# Altium PCB Interface_board.PcbDoc (part 1 of 3) (continued)
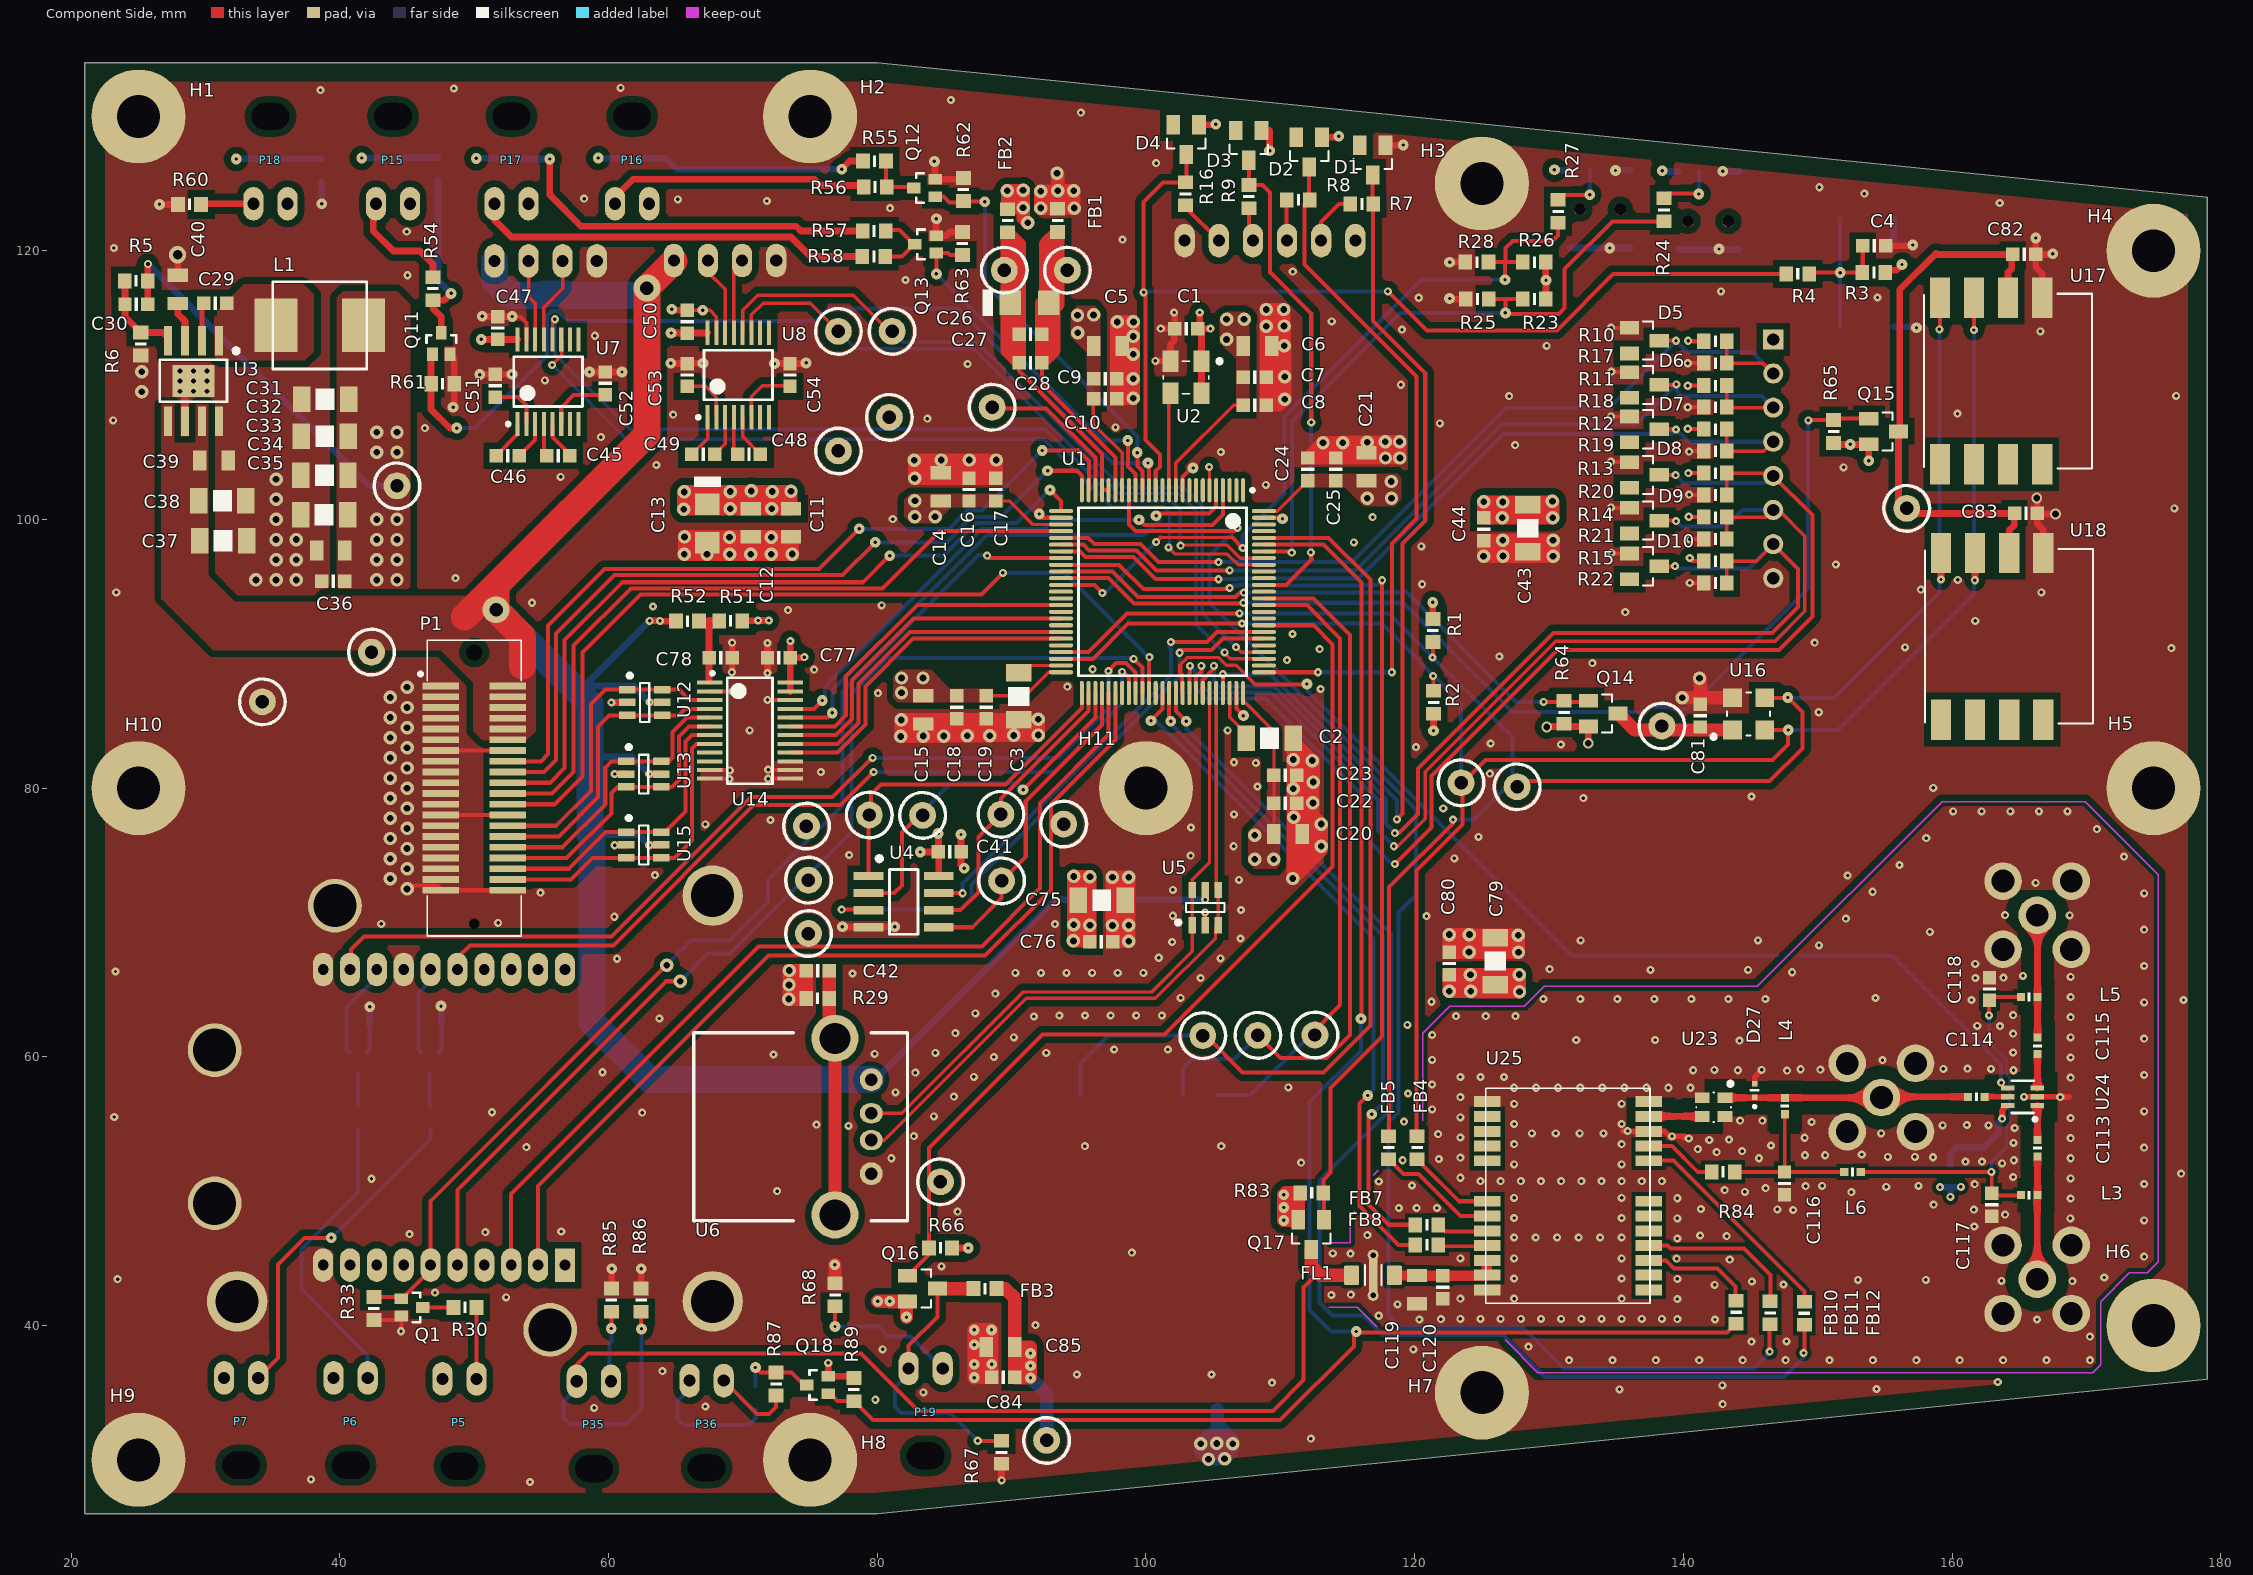
[diagram p0: Component Side view]
## Components (designator, comment, footprint, x,y, rotation, side; value= is the part's Value field where it differs from the comment)
B1 "Switch OFF-(ON)" "SWITCH CK" 153.65,118.35 r0 bottom
C1 "100nF" CAP0603R 103,114.2 r0 top
C2 "2.2uF" CAP1206W 109.2,83.7 r180 top
C3 "2.2uF" CAP1206W 90.525,86.825 r90 top
C4 "100nF" CAP0603R 154.2,120.375 r0 top
C5 "10uF" CAP0805W 97.175,112.9 r180 top
C6 "10uF" CAP0805W 108.3,112.9 r180 top
C7 "100nF" CAP0603R 108.1,110.6 r180 top
C8 "100nF" CAP0603R 108.1,108.5 r180 top
C9 "100nF" CAP0603R 96.975,110.475 r180 top
C10 "100nF" CAP0603R 96.975,108.975 r180 top
C11 "4.7uF" CAP0805W 73.575,99.75 r90 top
C12 "4.7uF" CAP0805W 70.575,99.75 r90 top
C13 "1uF" CAP1206-CASE_A 67.35,99.7 r270 top
C14 "10uF" CAP0805W 84.725,102.425 r270 top
C15 "10uF" CAP0805W 83.425,85.825 r90 top
C16 "100nF" CAP0603R 86.825,102.225 r270 top
C17 "100nF" CAP0603R 88.825,102.225 r270 top
C18 "100nF" CAP0603R 85.925,86.025 r90 top
C19 "100nF" CAP0603R 88.125,86.025 r90 top
C20 "10uF" CAP0805W 110.575,76.575 r180 top
C21 "10uF" CAP0805W 116.425,103.925 r270 top
C22 "100nF" CAP0603R 110.375,78.875 r180 top
C23 "100nF" CAP0603R 110.375,80.975 r180 top
C24 "100nF" CAP0603R 112.025,103.725 r270 top
C25 "100nF" CAP0603R 114.125,103.725 r270 top
C26 "1uF" CAP1206-CASE_A 91.325,116.125 r0 top
C27 "100nF" CAP0603R 91.4,113.8 r180 top
C28 "100nF" CAP0603R 91.4,111.675 r180 top
C29 "470nF" CAP0603R 30.725,116.1 r180 top
C30 "82pF" CAP0603R 24.85,116.025 r0 top
C31 "47uF" CAP1206W 38.9,108.95 r0 top
C32 "47uF" CAP1206W 38.875,106.2 r0 top
C33 "47uF" CAP1206W 38.85,103.275 r0 top
C34 "47uF" CAP1206W 38.825,100.35 r0 top
C35 "10uF" CAP0805W 39.325,97.7 r0 top
C36 "100nF" CAP0603R 39.5,95.4 r0 top
C37 "47uF" CAP1206W 31.3,98.4 r180 top
C38 "47uF" CAP1206W 31.25,101.4 r180 top
C39 "10uF" CAP0805W 30.625,104.375 r180 top
C40 "4.7uF" CAP0805W 27.925,117.125 r270 top
C41 "220nF" CAP0603R 85.4,75.25 r180 top
C42 "4.7nF" CAP0603R 75.575,66.4 r0 top
C43 "47uF" CAP1206W 128.425,99.35 r90 top
C44 "220nF" CAP0603R 125.125,99.275 r90 top
C45 "220nF" CAP0603R 56.25,104.75 r180 top
C46 "220nF" CAP0603R 52.5,104.75 r180 top
C47 "220nF" CAP0603R 51.75,114.25 r270 top
C48 "220nF" CAP0603R 70.45,104.85 r180 top
C49 "220nF" CAP0603R 67.05,104.85 r180 top
C50 "220nF" CAP0603R 65.85,114.725 r270 top
C51 "220nF" CAP0603R 51.55,109.95 r270 top
C52 "220nF" CAP0603R 59.75,110.125 r270 top
C53 "220nF" CAP0603R 65.85,110.75 r270 top
C54 "220nF" CAP0603R 73.5,110.75 r270 top
C75 "47uF" CAP1206W 96.7,71.65 r180 top
C76 "220nF" CAP0603R 96.675,68.55 r180 top
C77 "100nF" CAP0603R 72.675,89.7 r0 top
C78 "100nF" CAP0603R 68.35,89.7 r180 top
C79 "47uF" CAP1206W 126,67.125 r270 top
C80 "220nF" CAP0603R 122.575,66.95 r270 top
C81 "100nF" CAP0603R 141.25,85.4 r270 top
C82 "100nF" CAP0603R 165.375,119.725 r180 top
C83 "100nF" CAP0603R 165.5,100.45 r180 top
C84 "100nF" CAP0603R 89.375,36.15 r0 top
C85 "10uF" CAP0805W 89.175,38.4 r0 top
C112 "100nF" CAP0603R 161.625,52.425 r90 bottom
C113 "47pF" 0402 166.36,53.187 r90 top
C114 "47pF" 0402 161.825,57.025 r180 top
C115 "47pF" 0402 166.361,60.832 r270 top
C116 "100nF" CAP0603R 147.525,50.575 r90 top
C117 "100nF" CAP0603R 162.95,48.988 r90 top
C118 "100nF" CAP0603R 162.787,65.047 r270 top
C119 "10uF" CAP0805W 120.175,42.675 r90 top
C120 "100nF" CAP0603R 122.1,42.85 r90 top
D1 "3V6" SOT23 116.875,126.75 r180 top
D2 "3V6" SOT23 112.15,127.35 r180 top
D3 "3V6" SOT23 107.65,127.85 r180 top
D4 "3V6" SOT23 103,128.275 r180 top
D5 "3V6" SOT23 137.089,113.314 r270 top
D6 "3V6" SOT23 137.089,110.014 r270 top
D7 "3V6" SOT23 137.089,106.714 r270 top
D8 "3V6" SOT23 137.089,103.314 r270 top
D9 "3V6" SOT23 137.089,99.914 r270 top
D10 "3V6" SOT23 137.089,96.514 r270 top
D16 "LED" WL-SMCW 43.9,126.9 r180 bottom
D17 "LED" WL-SMCW 61.55,126.875 r180 bottom
D18 "LED" WL-SMCW 52.575,126.875 r180 bottom
D19 "LED" WL-SMCW 34.7,126.85 r180 bottom
D20 "LED" WL-SMCW 83.55,33.5 r180 bottom
D27 "5V" SOD-923 145.3,57.5 r90 top
D28 "LED" WL-SMCW 58.925,32.65 r180 bottom
D29 "LED" WL-SMCW 67.3,32.6 r180 bottom
FB1 "81-BLM18KG601SZ1D" 0603 93.425,122.25 r90 top
FB2 "81-BLM18KG601SZ1D" 0603 89.7,122.25 r270 top
FB3 "81-BLM18KG601SZ1D" 0603 88.025,42.75 r180 top
FB4 "81-BLM18KG601SZ1D" 0603 120.175,53.25 r270 top
FB5 "81-BLM18KG601SZ1D" 0603 118.05,53.25 r270 top
FB6 "81-BLM18KG601SZ1D" 0603 159.875,51.175 r270 bottom
FB7 "81-BLM18KG601SZ1D" 0603 120.9,47.5 r0 top
FB8 "81-BLM18KG601SZ1D" 0603 120.9,46 r0 top
FB9 "81-BLM18KG601SZ1D" 0603 148.05,67.55 r0 bottom
FB10 "81-BLM18KG601SZ1D" 0603 143.925,41 r270 top
FB11 "81-BLM18KG601SZ1D" 0603 146.45,40.95 r270 top
FB12 "81-BLM18KG601SZ1D" 0603 149,40.925 r270 top
FL1 "NFE31P Series (1206 Size)   Chip EMIFILr LC Combined Type" LCL_NFE31P 116.9,43.742 r0 top
H1 "Hole_3.2mm" HOLE_3.2MM#1 25,130 r0 top
H2 "Hole_3.2mm" HOLE_3.2MM#1 75,130 r0 top
H3 "Hole_3.2mm" HOLE_3.2MM#2 125,130 r0 top
H4 "Hole_3.2mm" HOLE_3.2MM#3 175,130 r0 top
H5 "Hole_3.2mm" HOLE_3.2MM#1 175,80 r0 top
H6 "Hole_3.2mm" HOLE_3.2MM#4 175,30 r0 top
H7 "Hole_3.2mm" HOLE_3.2MM#5 119.75,30.075 r0 top
H8 "Hole_3.2mm" HOLE_3.2MM#1 75,30 r0 top
H9 "Hole_3.2mm" HOLE_3.2MM#1 25,30 r0 top
H10 "Hole_3.2mm" HOLE_3.2MM#1 25,80 r0 top
H11 "Hole_3.2mm" HOLE_3.2MM#6 96.575,92.875 r0 top
L1 "3.3uH" IHLP-2525CZ-01_INDUCTOR 38.5,114.45 r90 top
L3 "27nH" 0402 165.725,49.7 r0 top
L4 "27nH" 0402 147.55,56.325 r90 top
L5 "27nH" 0402 165.725,64.45 r0 top
L6 "27nH" 0402 152.575,51.425 r0 top
P1 "61082-042402LF" 61082-042402LF 50,80 r90 top locked
P2 "Header 6p JST XA 3A" "CON_JST_XA_ B06B-XASK" 109.23,120.75 r180 bottom
P3 "Header 8" HDR1X8 146.689,113.404 r270 bottom
P4 "XBee receptacle" "XBEE RECEPTACLE" 47.75,55.5 r90 bottom locked
P5 "LED connector" "CON_JST_XA_ S02B-XASS-1" 48.9,36.025 r0 top
P6 "LED connector" "CON_JST_XA_ S02B-XASS-1" 40.8,36.1 r0 top
P7 "LED connector" "CON_JST_XA_ S02B-XASS-1" 32.65,36.1 r0 top
P8 "Header 4p JST XA 3A" "CON_JST_XA_ B04B-XASK" 55.31,119.25 r0 bottom
P9 "Header 4p JST XA 3A" "CON_JST_XA_ B04B-XASK" 68.665,119.275 r0 bottom
P15 "LED connector" "CON_JST_XA_ S02B-XASS-1" 43.95,123.5 r180 top locked
P16 "LED connector" "CON_JST_XA_ S02B-XASS-1" 61.75,123.5 r180 top locked
P17 "LED connector" "CON_JST_XA_ S02B-XASS-1" 52.77,123.5 r180 top
P18 "LED connector" "CON_JST_XA_ S02B-XASS-1" 34.83,123.5 r180 top
P19 "LED connector" "CON_JST_XA_ S02B-XASS-1" 83.6,36.8 r0 top
P32 "SMA" SMA_TH_VERTICAL_LONG 154.741,56.974 r180 bottom
P33 "SMA" SMA_TH_VERTICAL_LONG 166.335,43.44 r180 bottom
P34 "SMA" SMA_TH_VERTICAL_LONG 166.335,70.54 r180 bottom
P35 "LED connector" "CON_JST_XA_ S02B-XASS-1" 58.9,35.85 r0 top
P36 "LED connector" "CON_JST_XA_ S02B-XASS-1" 67.3,35.9 r0 top
Q1 "MOSFET_N" SOT-323-3 45.375,41.35 r270 top
Q2 "MOSFET_N" SOT-323-3 41.35,59.475 r0 bottom
Q3 "MOSFET_N" SOT-323-3 46.675,59.525 r0 bottom
Q11 "MOSFET_N" SOT-323-3 47.55,113.1 r0 top
Q12 "MOSFET_N" SOT-323-3 83.5,124.675 r90 top
Q13 "MOSFET_N" SOT-323-3 83.575,120.475 r90 top
Q14 "MOSFET_P" SOT23 134.025,85.55 r270 top
Q15 "MOSFET_P" SOT23 154.9,106.55 r270 top
Q16 "MOSFET_P" SOT23 83.35,42.75 r270 top
Q17 "MOSFET_P" SOT23 112.3,46.775 r180 top
Q18 "MOSFET_N" SOT-323-3 75.55,35.575 r90 top
R1 "2K7" 0603 121.35,91.725 r90 top
R2 "2K7" 0603 121.4,86.4 r270 top
R3 "10K" 0603 154.175,118.375 r0 top
R4 "10" 0603 148.5,118.275 r0 top
R5 "6K19" 0603 24.825,117.75 r0 top
R6 "2K7" 0603 25.175,113.05 r90 top
R7 "22" 0603 116.05,123.475 r0 top
R8 "22" 0603 111.325,123.775 r0 top
R9 "22" 0603 107.65,124.025 r90 top
R10 "10K" 0603 142.389,113.264 r180 top
R11 "10K" 0603 142.389,109.964 r180 top
R12 "10K" 0603 142.389,106.718 r180 top
R13 "10K" 0603 142.389,103.445 r180 top
R14 "10K" 0603 142.389,100.173 r180 top
R15 "10K" 0603 142.389,96.9 r180 top
R16 "22" 0603 102.95,124.225 r90 top
R17 "10K" 0603 142.375,111.627 r0 top
R18 "10K" 0603 142.375,108.355 r0 top
R19 "10K" 0603 142.375,105.082 r0 top
R20 "10K" 0603 142.375,101.809 r0 top
R21 "10K" 0603 142.375,98.536 r0 top
R22 "10K" 0603 142.375,95.264 r0 top
R23 "10K" 0603 128.9,116.4 r0 top
R24 "10K" 0603 138.55,123.05 r270 top
R25 "10K" 0603 124.65,116.4 r0 top
R26 "10K" 0603 128.9,119.15 r0 top
R27 "10K" 0603 130.675,122.95 r270 top
R28 "10K" 0603 124.625,119.15 r0 top
R29 "1M" 0603 75.55,64.35 r0 top
R30 "10" 0603 49.3,41.35 r0 top
R31 "10" 0603 41.35,55.475 r270 bottom
R32 "10" 0603 46.725,55.45 r270 bottom
R33 "18K7" 0603 42.525,41.275 r270 top
R34 "18K7" 0603 41.35,62.375 r180 bottom
R35 "18K7" 0603 46.7,62.55 r180 bottom
R51 "0" 0603 69.075,92.45 r0 top
R52 "0" 0603 65.875,92.425 r180 top
R53 "22" 0603 47.3,126.075 r90 bottom
R54 "22" 0603 46.925,117.175 r90 top
R55 "22" 0603 79.8,126.675 r180 top
R56 "22" 0603 79.85,124.75 r180 top
R57 "22" 0603 79.775,121.475 r180 top
R58 "22" 0603 79.75,119.575 r180 top
R59 "22" 0603 38.65,125.975 r90 bottom
R60 "22" 0603 28.8,123.45 r0 top
R61 "18K7" 0603 47.65,110.1 r180 top
R62 "18K7" 0603 86.4,124.564 r270 top
R63 "18K7" 0603 86.325,120.55 r270 top
R64 "18K7" 0603 131.125,85.65 r270 top
R65 "18K7" 0603 151.175,106.55 r270 top
R66 "18K7" 0603 84.7,45.775 r0 top
R67 "22" 0603 89.25,30.55 r90 top
R68 "22" 0603 76.85,42.3 r270 top
R83 "18K7" 0603 112.35,49.875 r180 top
R84 "10" 0603 142.95,51.425 r0 top
R85 "22" 0603 60.2,41.9 r270 top
R86 "22" 0603 62.425,41.9 r270 top
R87 "22" 0603 72.475,35.65 r270 top
R88 "22" 0603 70.925,34.625 r270 bottom
R89 "18K7" 0603 78.25,35.225 r90 top
S1 "SW DPDT" "SMD SLIDE SWITCHES ON-ON" 141.85,122.2 r180 bottom
S2 "SW DPDT" "SMD SLIDE SWITCHES ON-ON" 133.8,123.1 r180 bottom
TP1 "Test point" TP 88.55,108.35 r180 bottom
TP2 "Test point" TP 127.625,80.1 r180 bottom
TP3 "Test point" TP 123.45,80.4 r180 bottom
TP5 "Test point" TP 94.15,118.55 r180 bottom
TP6 "Test point" TP 34.225,86.425 r180 bottom
TP7 "Test point" TP 89.45,118.55 r180 bottom
TP8 "Test point" TP 42.35,90.125 r180 bottom
TP9 "Test point" TP 44.25,102.5 r180 bottom
TP10 "Test point" TP 79.4,78 r180 bottom
TP11 "Test point" TP 89.2,78.05 r180 bottom
TP12 "Test point" TP 83.375,77.975 r180 bottom
TP13 "Test point" TP 89.25,73.1 r180 bottom
TP14 "Test point" TP 93.875,77.325 r180 bottom
TP15 "Test point" TP 74.875,69.175 r180 bottom
TP16 "Test point" TP 74.875,73.15 r180 bottom
TP17 "Test point" TP 74.725,77.175 r180 bottom
TP20 "Test point" TP 80.9,107.6 r180 bottom
TP21 "Test point" TP 81.1,114 r180 bottom
TP22 "Test point" TP 77.1,105.1 r270 bottom
TP23 "Test point" TP 77.1,114 r180 bottom
TP32 "Test point" TP 138.4,84.625 r180 bottom
TP33 "Test point" TP 156.625,100.825 r180 bottom
TP34 "Test point" TP 92.6,31.45 r180 bottom
TP35 "Test point" TP 104.225,61.575 r180 bottom
TP36 "Test point" TP 108.325,61.6 r180 bottom
TP37 "Test point" TP 112.575,61.625 r180 bottom
TP38 "Test point" TP 84.7,50.7 r180 bottom
U1 "STM32F405VGT6" STM-LQFP100_N 101.225,94.625 r270 top locked
U2 "25MHz" SMD_3.2X2.5MM_4P 102.975,110.575 r180 top
U3 "LMR23630" HSOIC-8 29.1,110.3 r180 top
U4 "Flash 64MB" SOIC-8 81.95,71.55 r270 top
U5 "USBLC6-2SC6Y" SOT23-6L 104.4,71.1 r0 top
U6 "USB_type_A" "USB TYPE A RIGHT ANGLE" 76.85,54.8 r270 top locked
U7 "MAX3232EUE" "TSSOP 16" 55.5,110.25 r90 top
U8 "MAX3232EUE" "TSSOP 16" 69.65,110.75 r90 top
U12 "USBLC6-2SC6Y" SOT23-6L 62.675,86.375 r270 top
U13 "USBLC6-2SC6Y" SOT23-6L 62.6,81.05 r270 top
U14 "SN74LVC4245A" "TSSOP 24" 70.525,84.275 r0 top
U15 "USBLC6-2SC6Y" SOT23-6L 62.6,75.775 r270 top
U16 "Abs. pres. sensor" SMD_3.0X3.0MM_4P 144.85,85.525 r0 top
U17 "Dif. pres. sensor" HSCMRRN060PDSA3 162.9,110.3 r180 top
U18 "Dif. pres. sensor" HSCMRRN060PDSA3 162.98,91.3 r180 top
U19 "IMU" "YOST LABS 3-SPAC EMBEDDED" 98.95,45.45 r270 bottom
U23 "SF1186G" SMD_2.5X2MM_4P 142.25,56.25 r180 top
U24 "PE4259" SC-70 165.25,57.025 r90 top
U25 "NEO_M8" NEO-8 131.4,49.65 r0 top locked

## Footprints (in the part's own frame and the unit in brackets; to place one, negate y for a bottom-side part, rotate by r counter-clockwise, add the part's x,y. Pads: shape width x height; smd on the part's side, far side on the other; paste and mask are expansions set on the pad)
0402 [mm]
  rect 0.6x0.6 smd: 1(-0.6,0) 2(0.625,0)
  silkscreen extent -0.1,-0.33 0.13,0.32, body extent -0.5,-0.3 0.5,0.3, height 0.2
0603 [mil]
  rect 40x44 smd: 1(-33.46,0) 2(34,0)
  silkscreen extent -4,-17 5,17, body extent -33,-16 33,16, height 22
61082-042402LF [mm] "Connecteurs carte à carte et mezzanine 40P RECPT"
  round 0 hole 0.8 unplated: 1(-10.1,0)
  rect 0.5x2.7 smd: 1(7.6,2.5) 2(7.6,-2.5) 3(6.8,2.5) 4(6.8,-2.5) 5(6,2.5) 6(6,-2.5) 7(5.2,2.5) 8(5.2,-2.5) 9(4.4,2.5) 10(4.4,-2.5) 11(3.6,2.5) 12(3.6,-2.5) 13(2.8,2.5) 14(2.8,-2.5) 15(2,2.5) 16(2,-2.5) 17(1.2,2.5) 18(1.2,-2.5) 19(0.4,2.5) 20(0.4,-2.5) 21(-0.4,2.5) 22(-0.4,-2.5) 23(-1.2,2.5) 24(-1.2,-2.5) 25(-2,2.5) 26(-2,-2.5) 27(-2.8,2.5) 28(-2.8,-2.5) 29(-3.6,2.5) 30(-3.6,-2.5) 31(-4.4,2.5) 32(-4.4,-2.5) 33(-5.2,2.5) 34(-5.2,-2.5) 35(-6,2.5) 36(-6,-2.5) 37(-6.8,2.5) 38(-6.8,-2.5) 39(-7.6,2.5) 40(-7.6,-2.5)
  round 0 hole 1.2 unplated: 1(10.1,0)
  silkscreen extent -11,-3.5 11,4.1, body extent -10.9,-3.4 10.9,3.4, height 7.65
CAP0603R [mm] "capacitor 0603 reflow soldering"
  rect 1x1 smd: 1(-0.85,0) 2(0.85,0)
  silkscreen extent -0.13,-0.5 0.13,0.5, body extent -0.8,-0.4 0.8,0.4, height 0.3
CAP0805W [mm] "capacitor 0805 wave soldering"
  rect 1x1.5 smd: 1(-1.05,0) 2(1.05,0)
  body extent -1,-0.63 1,0.63, height 0.78
CAP1206-CASE_A [mil]
  rect 63x71 smd: 1(-55.98,0) 2(56,0)
  silkscreen extent -138,-39 -106,39, body extent -67,-33 67,33, height 67
CAP1206W [mm] "capacitor 1206 wave soldering"
  rect 1.3x1.9 smd: 1(-1.75,0) 2(1.75,0)
  silkscreen extent -0.7,-0.8 0.7,0.8, body extent -1.6,-0.8 1.6,0.8, height 1
"CON_JST_XA_ B04B-XASK" [mm] "Embases Hdr Singl Row 4Ckt 3A"
  oval 1.5x2.5 hole 0.9: 1(-3.81,0) 2(-1.27,0) 3(1.27,0) 4(3.81,0)
  silkscreen extent -6.22,-3.2 6.22,3.91, body extent -6.25,-3.2 6.25,3.2, height 8.8
"CON_JST_XA_ B06B-XASK" [mm] "Embases Hdr Singl Row 6Ckt 3A"
  oval 1.5x2.5 hole 0.9: 1(-6.35,0) 2(-3.81,0) 3(-1.27,0) 4(1.27,0) 5(3.81,0) 6(6.35,0)
  silkscreen extent -8.89,-3.2 8.89,3.91, body extent -8.75,-3.2 8.75,3.2, height 8.8
"CON_JST_XA_ S02B-XASS-1" [mm] "Embases Hdr Singl Row 2Ckt 3A"
  oval 1.5x2.5 hole 0.9: 1(-1.27,0) 2(1.27,0)
  round 0 hole 2 slot 2.8 at 0 deg unplated: ""(0,-6.5)
  body extent -3.75,-9.2 3.75,3.4, height 7.6
HDR1X8 [mm] "Connector; Header; 8 Position"
  rect 1.5x1.5 hole 0.9: 1(0,0)
  round 1.5 hole 0.9: 2(2.54,0) 3(5.08,0) 4(7.62,0) 5(10.16,0) 6(12.7,0) 7(15.24,0) 8(17.78,0)
  silkscreen extent -1.27,-1.27 19.05,1.27
HOLE_3.2MM#1 [mm]
  round 7 hole 3.2: 0(0,0)
HOLE_3.2MM#2 [mm]
  round 7 hole 3.2: 0(0,-5)
HOLE_3.2MM#3 [mm]
  round 7 hole 3.2: 0(0,-10)
HOLE_3.2MM#4 [mm]
  round 7 hole 3.2: 0(0,10)
HOLE_3.2MM#5 [mm]
  round 7 hole 3.2: 0(5.25,4.925)
HOLE_3.2MM#6 [mm]
  round 7 hole 3.2: 0(3.425,-12.875)
HSCMRRN060PDSA3 [mm] "Pressure sensor"
  rect 1.5x3 smd: 1(-3.81,-6.2) 2(-1.27,-6.2) 3(1.27,-6.2) 4(3.81,-6.2) 5(3.81,6.2) 6(1.27,6.2) 7(-1.27,6.2) 8(-3.81,6.2)
  silkscreen extent -7.5,-6.5 5,6.5, body extent -7.75,-6.68 5,6.67, height 6.77
HSOIC-8 [mm]
  rect 0.61x2.21 smd: 1(-1.905,-3) 2(-0.635,-3) 3(0.635,-3) 4(1.905,-3) 5(1.905,3) 6(0.635,3) 7(-0.635,3) 8(-1.905,3)
  round 0.8 hole 0.35: PD(-1,0.75) PD(-1,0) PD(-1,-0.75) PD(0,0.75) PD(0,0) PD(0,-0.75) PD(1,0.75) PD(1,0) PD(1,-0.75)
  rect 3.1x2.4 smd: PD(0,0)
  silkscreen extent -3.33,-2.42 2.5,1.55, body extent -2.5,-3.1 2.5,3.1, height 1.75
IHLP-2525CZ-01_INDUCTOR [mm]
  rect 4x3.2 smd: 1(0,3.25) 2(0,-3.25)
  silkscreen extent -3.25,-3.5 3.25,3.5, body extent -3.23,-3.43 3.24,3.43, height 3
LCL_NFE31P [mil]
  rrect15% 44x56 smd: 1(-62.99,0) 3(63,0)
  round 32.01 hole 16: 2(0,-59.06) 2(0,59.06)
  rect 25x103 smd: 2(0,0)
  silkscreen extent -24,-30 25,30, body extent -63,-31 63,31, height 63
NEO-8 [mm]
  rect 2x0.813 smd: 1(6.02,-7) 2(6.02,-5.9) 3(6.02,-4.8) 4(6.02,-3.7) 5(6.02,-2.6) 6(6.02,-1.5) 7(6.02,-0.4) 8(6.02,2.616) 9(6.02,3.708) 10(6.02,4.801) 11(6.02,5.918) 12(6.02,7.01) 13(-6,7.01) 14(-6,5.918) 15(-6,4.801) 16(-6,3.708) 17(-6,2.616) 18(-6,-0.4) 19(-6,-1.5) 20(-6,-2.6) 21(-6,-3.7) 22(-6,-4.8) 23(-6,-5.9) 24(-6,-7)
  silkscreen extent -6.1,-8 6.12,8, body extent -6.18,-8.3 6.18,8.3, height 2.04
SC-70 [mm]
  rect 0.4x1 smd: 1(-0.65,-1.1) 2(0,-1.1) 3(0.65,-1.1) 4(0.65,1.1) 5(0,1.1) 6(-0.65,1.1)
  silkscreen extent -1.78,-1.03 1.2,0.81, body extent -1,-1.05 1,1.05, height 0.93
SMA_TH_VERTICAL_LONG [mm]
  round 2.8 hole 1.7: 1(0,0) 2(-2.54,-2.54) 3(-2.54,2.54) 4(2.54,-2.54) 5(2.54,2.54)
  silkscreen extent -3.8,-3.83 3.8,3.83, body extent -3.5,-3.5 3.5,3.5, height 17.6
"SMD SLIDE SWITCHES ON-ON" [mm]
  round 0.9 hole 0.9 unplated paste+0 mask+0.102: 0(-1.5,0) 0(1.5,0)
  rect 0.8x2 smd: 1(-2.25,2.9) 2(0.75,2.9) 3(2.25,2.9) 4(2.25,-2.9) 5(0.75,-2.9) 6(-2.25,-2.9)
  body extent -3.35,-2.95 3.35,2.95, height 2.9
SMD_2.5X2MM_4P [mm]
  rect 1.1x0.8 smd: 1(-0.85,-0.7) 2(0.85,-0.7) 3(0.85,0.7) 4(-0.85,0.7)
  silkscreen extent -1.4,-1.9 1.3,1.1, body extent -1.25,-1 1.25,1, height 0.8
SMD_3.0X3.0MM_4P [mm]
  rect 1.4x1.4 smd: 1(-1.2,-1.2) 2(1.2,-1.2) 3(1.2,1.2) 4(-1.2,1.2)
  silkscreen extent -2.75,-1.85 1.6,1.6, body extent -1.5,-1.51 1.5,1.5, height 0.9
SMD_3.2X2.5MM_4P [mm]
  rect 1.2x1.6 smd: 1(-1.15,-1.2) 2(1.15,-1.2) 3(1.15,1.2) 4(-1.15,1.2)
  silkscreen extent -2.65,-1.35 1.7,1.22, body extent -1.7,-1.2 1.7,1.22, height 0.9
SOD-923 [mm]
  rect 0.4x0.406 smd: 1(-0.5,0) 2(0.5,0)
  silkscreen extent -1.3,-0.3 0.03,0.3, body extent -0.52,-0.32 0.53,0.32, height 0.43
SOIC-8 [mil]
  rect 24x87 smd: 1(-75,-102.36) 2(-25,-102.36) 3(25,-102.36) 4(75,-102.36) 5(75,103) 6(25,103) 7(-25,103) 8(-75,103)
  silkscreen extent -133,-77 95,42, body extent -97,-122 99,122, height 69
SOT23 [mil]
  rect 40x56 smd: 1(-37.4,-43.31) 2(38,-43.31) 3(0,44)
  silkscreen extent -56,-3 56,26, body extent -59,-59 59,59, height 51
SOT23-6L [mil]
  rect 22x48 smd: 1(-37.4,-51.18) 2(0,-51.18) 3(38,-51.18) 4(38,52) 5(0,52) 6(-37.4,52)
  silkscreen extent -83,-47 57,14, body extent -59,-59 59,59, height 51
SOT-323-3 [mm]
  rect 0.8x1 smd: 1(-0.65,-0.8) 2(0.65,-0.8) 3(0,0.8)
  silkscreen extent -1.1,0.05 1.1,0.6, body extent -1.1,-1.12 1.1,1.12, height 1.1
STM-LQFP100_N [mm] "Thin QFP, 100-Leads, Body 14x14mm, Pitch 0.5mm, IPC Medium Density"
  oval 1.8x0.3 smd: 1(-7.55,6) 2(-7.55,5.5) 3(-7.55,5) 4(-7.55,4.5) 5(-7.55,4) 6(-7.55,3.5) 7(-7.55,3) 8(-7.55,2.5) 9(-7.55,2) 10(-7.55,1.5) 11(-7.55,1) 12(-7.55,0.5) 13(-7.55,0) 14(-7.55,-0.5) 15(-7.55,-1) 16(-7.55,-1.5) 17(-7.55,-2) 18(-7.55,-2.5) 19(-7.55,-3) 20(-7.55,-3.5) 21(-7.55,-4) 22(-7.55,-4.5) 23(-7.55,-5) 24(-7.55,-5.5) 25(-7.55,-6) 51(7.55,-6) 52(7.55,-5.5) 53(7.55,-5) 54(7.55,-4.5) 55(7.55,-4) 56(7.55,-3.5) 57(7.55,-3) 58(7.55,-2.5) 59(7.55,-2) 60(7.55,-1.5) 61(7.55,-1) 62(7.55,-0.5) 63(7.55,0) 64(7.55,0.5) 65(7.55,1) 66(7.55,1.5) 67(7.55,2) 68(7.55,2.5) 69(7.55,3) 70(7.55,3.5) 71(7.55,4) 72(7.55,4.5) 73(7.55,5) 74(7.55,5.5) 75(7.55,6)
  oval 0.3x1.8 smd: 26(-6,-7.55) 27(-5.5,-7.55) 28(-5,-7.55) 29(-4.5,-7.55) 30(-4,-7.55) 31(-3.5,-7.55) 32(-3,-7.55) 33(-2.5,-7.55) 34(-2,-7.55) 35(-1.5,-7.55) 36(-1,-7.55) 37(-0.5,-7.55) 38(0,-7.55) 39(0.5,-7.55) 40(1,-7.55) 41(1.5,-7.55) 42(2,-7.55) 43(2.5,-7.55) 44(3,-7.55) 45(3.5,-7.55) 46(4,-7.55) 47(4.5,-7.55) 48(5,-7.55) 49(5.5,-7.55) 50(6,-7.55) 76(6,7.55) 77(5.5,7.55) 78(5,7.55) 79(4.5,7.55) 80(4,7.55) 81(3.5,7.55) 82(3,7.55) 83(2.5,7.55) 84(2,7.55) 85(1.5,7.55) 86(1,7.55) 87(0.5,7.55) 88(0,7.55) 89(-0.5,7.55) 90(-1,7.55) 91(-1.5,7.55) 92(-2,7.55) 93(-2.5,7.55) 94(-3,7.55) 95(-3.5,7.55) 96(-4,7.55) 97(-4.5,7.55) 98(-5,7.55) 99(-5.5,7.55) 100(-6,7.55)
  silkscreen extent -7.67,-6.25 6.25,6.83, body extent -7,-7 7,7, height 1.6
"SWITCH CK" [mm]
  rect 1x5 smd: 1(-2,-4) 2(2,-4) 3(2,4) 4(-2,4)
  silkscreen extent -2.95,-2.58 2.98,2.6, body extent -3,-4.5 3,4.5, height 5
TP [mm]
  round 2 hole 1: 1(0,0)
  silkscreen extent -1.7,-1.7 1.7,1.7
"TSSOP 16" [mm]
  rect 1.8x0.3 smd: 1(-3.15,2.275) 2(-3.15,1.625) 3(-3.15,0.975) 4(-3.15,0.325) 5(-3.15,-0.325) 6(-3.15,-0.975) 7(-3.15,-1.625) 8(-3.15,-2.275) 9(3.15,-2.275) 10(3.15,-1.625) 11(3.15,-0.975) 12(3.15,-0.325) 13(3.15,0.325) 14(3.15,0.975) 15(3.15,1.625) 16(3.15,2.275)
  silkscreen extent -3.27,-2.55 1.85,3.1, body extent -3.2,-2.55 3.2,2.55, height 1.05
"TSSOP 24" [mm]
  rect 1.9x0.3 smd: 1(-3,3.575) 2(-3,2.925) 3(-3,2.275) 4(-3,1.625) 5(-3,0.975) 6(-3,0.325) 7(-3,-0.325) 8(-3,-0.975) 9(-3,-1.625) 10(-3,-2.275) 11(-3,-2.925) 12(-3,-3.575) 13(3,-3.575) 14(3,-2.925) 15(3,-2.275) 16(3,-1.625) 17(3,-0.975) 18(3,-0.325) 19(3,0.325) 20(3,0.975) 21(3,1.625) 22(3,2.275) 23(3,2.925) 24(3,3.575)
  silkscreen extent -2.92,-3.95 1.67,4.4, body extent -3.28,-3.95 3.28,3.95, height 1.2
"USB TYPE A RIGHT ANGLE" [mm]
  round 3.5 hole 2.3: 0(-6.57,0) 0(6.57,0)
  round 1.7 hole 0.95: 1(-3.5,2.7) 4(3.5,2.7)
  oval 1.5x1.7 hole 0.95: 2(-1,2.7) 3(1,2.7)
  silkscreen extent -7,-10.5 7,5.4, body extent -8,-48.45 8,5.06, height 8.32
WL-SMCW [mil]
  rect 32x32 smd: A(32,0) C(-31.5,0)
  silkscreen extent -63,-19 5,48, body extent -31,-16 31,16, height 28
"XBEE RECEPTACLE" [mm]
  round 4.5 hole 3.2: 0(-13.7,-15.4) 0(-13.7,20) 0(16.5,20)
  rect 2.5x1.5 hole 0.8: 1(-11,9)
  oval 2.5x1.5 hole 0.8: 2(-11,7) 3(-11,5) 4(-11,3) 5(-11,1) 6(-11,-1) 7(-11,-3) 8(-11,-5) 9(-11,-7) 10(-11,-9) 11(11,-9) 12(11,-7) 13(11,-5) 14(11,-3) 15(11,-1) 16(11,1) 17(11,3) 18(11,5) 19(11,7) 20(11,9)
  silkscreen extent -18.5,-19.75 19.75,25.75, body extent -18.5,-20 20,26, height 10.56
"YOST LABS 3-SPAC EMBEDDED" [mm]
  rect 3.5x2.29 smd: 1(-11.7,6.35) 2(-11.7,3.81) 3(-11.7,1.27) 4(-11.7,-1.27) 5(-11.7,-3.81) 6(-11.7,-6.35) 7(11.7,-6.35) 8(11.7,-3.81) 9(11.7,-1.27) 10(11.7,1.27) 11(11.7,3.81) 12(11.7,6.35)
  silkscreen extent -13.2,-11.5 11.5,11.5, body extent -11.5,-11.5 11.5,11.5, height 2.2

## Part data
B1: "OFF-(ON)"
C1 C4 C7 C8 C9 C10 C16 C17 C18 C19 C22 C23 C24 C25 C27 C28 C36 C77 C78 C81 C82 C83 C84 C112 C116 C117 C118 C120: library part C_100nF, "Capacitor"
C2 C3: library part C_2.2uF_1206, "Capacitor"
C5 C6 C14 C15 C20 C21 C35 C39 C85 C119: library part C_10uF_16v, "Capacitor"
C11 C12: library part C_4.7uF, "Capacitor"
C13 C26: library part C_pol_1uF_tental, "Polarized Capacitor"
C29: library part C_470nF_25v, "Capacitor"
C30: library part C_82pF_50V, "Capacitor"
C31 C32 C33 C34 C37 C38 C43 C75 C79: library part C_47uF_25v_1206, "Capacitor"
C40: library part C_4.7uF_16v, "Capacitor"
C41 C44 C45 C46 C47 C48 C49 C50 C51 C52 C53 C54 C76 C80: library part C_220nF, "Capacitor"
C42: library part C_4.7nF, "Capacitor"
C113 C114 C115: library part C_47pF_50V_0402, "Capacitor"
D1 D2 D3 D4 D5 D6 D7 D8 D9 D10: library part DZ_3V6_MMBZ522, "Zener Diodes 3.6V 225mW"
D16 D17 D18 D19 D20 D28 D29: library part LED_SMD_GREEN_0603, "Standard LEDs - SMD WL-SMCW Waterclr 0603 Green"
D27: library part ESD9L5.0ST5G, "Diodes TVS - Parasurtenseurs ESD"
FB1 FB2 FB3 FB4 FB5 FB6 FB7 FB8 FB9 FB10 FB11 FB12: library part Ferrite_bead
FL1: library part NFE31P
L1: library part L_3.3uH_6A, "Inductors 3.3uH 20%"
L3 L4 L5 L6: library part L_27nH_0402, "Inductor"
P1: "Connecteurs carte à carte et mezzanine 40P RECPT"
P3: "Header, 8-Pin"
P5 P6 P7 P15 P16 P17 P18 P19 P35 P36: library part "Header 2p JST XA 3A right angle", "Header 2p JST XA 3A right angle"
P32 P33 P34: library part COAX_SMA_PCB, "Connecteurs coaxiaux SMA STRAIGHT JACK PCB MOUNT BULKHEAD"
Q1 Q2 Q3 Q11 Q12 Q13 Q18: library part "MOSFET_N_ 20V_1.4A", "MOSFET N-Ch 20V 1.4A SOT-323-3"
Q14 Q15 Q16 Q17: library part "MOSFET_P_ 20V_1.5A", "MOSFET 40V P-channel Trench MOSFET SOT-23-3"
R1 R2 R6: library part R_0603_01W_2K7, "0.1W 2K7"
R3 R10 R11 R12 R13 R14 R15 R17 R18 R19 R20 R21 R22 R23 R24 R25 R26 R27 R28: library part R_0603_01W_10K, "0.1W 10K"
R4 R30 R31 R32 R84: library part R_0603_025W_10Ohm, "0.25W 10Ohm"
R5: library part R_0603_01W_6K2, "0.1W 6K19"
R7 R8 R9 R16 R53 R54 R55 R56 R57 R58 R59 R60 R67 R68 R85 R86 R87 R88: library part R_0603_025W_22Ohm, "0.25W 22Ohm"
R29: library part R_0603_01W_1M, "0.1W 1M"
R33 R34 R35 R61 R62 R63 R64 R65 R66 R83 R89: library part R_0603_01W_18K7, "0.1W 18K7"
R51 R52: library part R_0603_0Ohm_jumper, "0 Ohm"
S1 S2: "Switch"
U1: "ARM Cortex-M4 32-bit MCU+FPU, 210 DMIPS, 1024 kB Flash, 192 kB Internal RAM, 82 I/Os, 100-pin LQFP, -40 to 85 degC, Tray"
U2: library part DSC1001CI2-025.0000, "Osc"
U3: "Voltage regulator 3A"
U4: library part "Flash 64MB SPI"
U5 U12 U13 U15: "ESD Suppressors"
U6: "USB type A"
U7 U8: "RS-232 Interface IC 3-5.5V 235kbps Transceiver"
U14: "Level shifter 8"
U16: library part MS563702BA03-50, "Pressure sensor"
U17: library part HSCMRRN001PD2A3, "Diff pressure sensor 1 psi"
U18: library part SSCMRNN015PG5A3, "Diff pressure sensor 0 psi to 15 psi"
U19: library part YostLab_3-Space_Embedded
U23: "SAW GPS Filter"
U24: "RF SWITCH"
U25: library part "uBlox_Neo M8", "GNSS"

## Free pads (board coordinates)
  round 4 hole 3.2: 0(30.675,49.1) 0(30.675,60.5) GND(39.625,71.25) GND(55.65,39.675)

## Via types
v1: diameter 0.6, hole 0.25, Component Side to Solder Side, 578 vias
v2: diameter 1, hole 0.5, Component Side to Solder Side, 175 vias
v3: diameter 0.8, hole 0.25, Component Side to Solder Side, 116 vias
v4: diameter 0.8, hole 0.5, Component Side to Solder Side, 4 vias
v5: diameter 2, hole 1, Component Side to Solder Side, 2 vias
v6: diameter 1.27, hole 0.711, Component Side to Solder Side, 1 vias
v7: diameter 0.6, hole 0.3, Component Side to Solder Side, 1 vias

## Nets (pads, with @x,y where several pads share a name; then routed paths per layer and width w, separated by ;. In a path a pad name is that pad's centre, name@x,y a point inside that pad or via, vN(x,y) a via of type N, cw(c..) or ccw(c..) an arc to the next point about the centre after c; other vN are vias at no path point)
+5V: C37.2 C38.2 C39.2 P1.2 P1.4 P1.6 P1.8 P1.10 P1.12 P8.1 P9.1 R52.2 TP8.1 U3.5 U3.7 U5.5 U6.1 U12.5 U13.5 U15.5 | length 169.3
  Component Side w0.5: v1(63.025,75.75) 63.05,75.775 U15.5@63.921,75.775 ; v1(63.025,81.05) U13.5@63.921,81.05 ; v1(63.05,86.4) 63.075,86.375 U12.5@63.996,86.375 ; v1(63.05,92.45) v1(63.825,92.45) 63.85,92.425 R52.2@65.011,92.425 ; v1(104.4,71.7) U5.5@104.4,72.421
  Component Side w2: 49.25,92.725 51.625,95.1 ; 53.6,89.075 53.6,91.3 v5(51.625,93.275) 51.625,95.1 ; P9.1@64.88,119.25 v5(62.85,117.22) 62.85,106.325 51.625,95.1
  Solder Side w0.5: 58.61,82.325 61.75,82.325 v1(63.025,81.05) ; 58.75,76.525 62.25,76.525 v1(63.025,75.75) ; v1(63.05,86.4) 61.85,87.6 58.2,87.6 ; v1(63.825,92.45) v1(63.05,92.45) 58.2,87.6 ; U6.1@79.55,58.3 79.875,58.3 93.275,71.7 v1(104.4,71.7) ; 58.2,87.6 57.775,87.175 57.725,87.175 58.15,87.6 58.2,87.6
  Solder Side w2: P8.1@51.5,119.25 51.5,117.775 52.6,116.675 55.088,116.675 55.213,116.8 56.787,116.8 56.912,116.675 62.305,116.675 v5(62.85,117.22) ; v5(51.625,93.275) 57.725,87.175 58.61,86.29 58.61,82.325 58.61,76.525 ; 58.75,76.525 58.75,62.6 63.05,58.3 U6.1@79.55,58.3
ABS_P_SENS_ENN: Q14.1 R64.1 U1.35 | length 43.6
  Component Side w0.3: U1.35@93.675,96.125 97.5,96.125 99.4,94.225 106.666,94.225 106.995,94.555 v1(107.28,94.555) ; v1(129.6,86.425) 132.85,86.425 Q14.1@132.925,86.5
  Solder Side w0.3: v1(107.28,94.555) 119.28,94.555 119.35,94.625 127.55,86.425 v1(129.6,86.425)
ADC123_IN1: P1.16 U1.24 | length 61
  Component Side w0.3: P1.16@52.5,82 54.95,82 55.5,82.55 55.5,92.1 59.7,96.3 75.65,96.3 v3(78.65,99.3) ; v3(92.28,105.13) 94.88,105.13 94.925,105.175 95.75,104.35 95.75,102.2 U1.24@95.725,102.175
  Solder Side w0.3: v3(78.65,99.3) 85.325,99.3 86.675,100.65 87.775,100.65 92.255,105.13 v3(92.28,105.13)
ADC123_IN2: P1.18 U1.25 | length 58.8
  Component Side w0.3: P1.18@52.5,81.2 55.2,81.2 56.1,82.1 56.1,91.5 60.45,95.85 77.4,95.85 v3(79.85,98.3) ; v3(92.675,103.625) 94.875,103.625 95.225,103.275 U1.25@95.225,102.175
  Solder Side w0.3: v3(79.85,98.3) 85.161,98.3 86.655,99.795 86.655,99.823 87.007,100.175 89.225,100.175 v3(92.675,103.625)
ADC123_IN3: P1.20 U1.26 | length 56.9
  Component Side w0.3: P1.20@52.5,80.4 55.625,80.4 56.725,81.5 56.725,91.025 61.025,95.325 78.95,95.325 v3(80.925,97.3) ; v3(92.85,102.2) 93.675,101.375 U1.26@93.675,100.625
  Solder Side w0.3: v3(80.925,97.3) 84.909,97.3 87.334,99.725 90.35,99.725 92.825,102.2 v3(92.85,102.2)
ADC123_IN4: P1.22 U1.29 | length 54.8
  Component Side w0.3: P1.22@52.5,79.6 55.8,79.6 57.4,81.2 57.4,90.6 61.675,94.875 80.4,94.875 84.65,99.125 U1.29@93.675,99.125
AGND: C26.2 C27.1 C28.1 FB1.1 TP5.1 U1.20 | length 36.3
  Component Side w0.3: C28.1@92.25,111.675 92.25,110.1 97.725,104.625 U1.20@97.725,102.175
  Component Side w1: C26.2@92.522,116.35 93.425,117.253 ; C26.2@92.522,116.35 C26.2@93.15,115.722 ; C26.2@92.522,116.35 92.522,115.278 93.15,114.65 ; C26.2@92.522,116.35 92.25,116.078 C27.1@92.25,113.8 C28.1@92.25,111.675 93.15,112.575 93.15,114.65 ; C26.2@92.522,116.35 92.522,120.497 FB1.1@93.425,121.4 93.425,117.253 ; 93.15,114.65 C26.2@93.15,115.722 ; C26.2@93.15,115.722 93.425,115.997 93.425,117.253
ANT1: C113.1 L3.2 P33.1 | length 9.2
  Component Side w0.28: L3.2@166.335,49.489 L3.2@166.339,49.485 ; P33.1@166.336,43.463 P33.1@166.376,43.423
  Component Side w0.5: P33.1@166.335,43.44 166.335,49.489 166.335,49.682 166.36,49.707 C113.1@166.36,52.587
ANT2: C115.1 L5.2 P34.1 | length 9.1
  Component Side w0.5: P34.1@166.335,70.54 166.361,70.514 C115.1@166.361,61.432
AUX_I/O_1: D5.3 P3.2 R10.1 R17.2 U1.30 | length 68.2
  Component Side w0.254: R10.1@143.239,113.264 R17.2@143.239,111.627 145.925,111.627 P3.2@146.689,110.864
  Component Side w0.3: U1.30@93.675,98.625 95.7,98.625 96.15,98.175 99.575,98.175 100.925,96.825 v1(105.4,96.825) ; D5.3@138.206,113.314 139.436,113.314 v1(139.45,113.3)
  Solder Side w0.3: v1(105.4,96.825) 115.325,96.825 126.8,108.3 134.45,108.3 v1(139.45,113.3) 140.3,112.45 145.102,112.45 P3.2@146.689,110.864
AUX_I/O_2: D6.3 P3.3 R11.1 R18.2 U1.31 | length 66.9
  Component Side w0.254: R11.1@143.239,109.964 R18.2@143.239,108.355 143.269,108.324 P3.3@146.689,108.324
  Component Side w0.3: U1.31@93.675,98.125 95.35,98.125 95.775,97.7 99.3,97.7 100.795,96.205 v1(106.225,96.205) ; D6.3@138.206,110.014 139.439,110.014 v1(139.475,110.05)
  Solder Side w0.3: v1(106.225,96.205) 115.605,96.205 126.45,107.05 136.475,107.05 v1(139.475,110.05) 139.475,109.6 139.875,109.2 145.812,109.2 P3.3@146.689,108.324
AUX_I/O_3: D7.3 P3.4 R12.1 R19.2 U1.32 | length 65.5
  Component Side w0.254: R12.1@143.239,106.718 R19.2@143.239,105.082 145.987,105.082 P3.4@146.689,105.784
  Component Side w0.3: U1.32@93.675,97.625 95.075,97.625 95.5,97.2 99.075,97.2 100.725,95.55 v1(105.4,95.55) ; D7.3@138.206,106.714 139.436,106.714 v1(139.45,106.7)
  Solder Side w0.3: v1(105.4,95.55) 106.791,95.55 106.845,95.605 115.805,95.605 126.575,106.375 139.125,106.375 v1(139.45,106.7) 140.366,105.784 P3.4@146.689,105.784
AUX_I/O_4: D8.3 P3.5 R13.1 R20.2 U1.67 | length 92.6
  Component Side w0.254: R13.1@143.173,103.425 R13.1@143.239,103.425 ; R20.2@143.239,101.809 R13.1@143.239,103.425 ; R13.1@143.239,103.445 R13.1@143.239,103.425 ; P3.5@146.689,103.425 R13.1@143.239,103.425
  Component Side w0.3: U1.67@103.225,87.075 103.225,88.54 103.275,88.59 v1(103.275,89.1) ; v1(118.525,74.35) 121.25,77.075 121.25,80.9 130.625,90.275 147.1,90.275 149.6,92.775 149.6,100.332 P3.5@146.689,103.244 ; D8.3@138.206,103.314 139.411,103.314 v1(139.425,103.3)
  Solder Side w0.3: v1(103.275,89.1) 103.665,88.71 103.665,87.895 103.645,87.875 103.645,87.502 104.492,86.655 108.895,86.655 112.696,82.854 112.712,82.854 116.725,78.841 116.725,75.95 118.325,74.35 118.4,74.35 118.475,74.275 118.525,74.325 v1(118.525,74.35) ; v1(139.425,103.3) 140.025,102.7 146.145,102.7 P3.5@146.689,103.244
AUX_I/O_5: D9.3 P3.6 R14.1 R21.2 U1.68 | length 87.4
  Component Side w0.254: v1(118.45,75.675) 118.75,75.675 120.8,77.725 120.8,81.225 130.5,90.925 146.819,90.925 149.044,93.15 149.044,98.744 147.084,100.704 P3.6@146.689,100.704 146.158,100.173 R14.1@143.239,100.173 R21.2@143.239,98.536
  Component Side w0.3: U1.68@103.725,87.075 103.725,88.275 104.125,88.675 v1(104.125,89.1) ; D9.3@138.206,99.914 139.411,99.914 v1(139.45,99.875)
  Solder Side w0.3: v1(104.125,89.1) 104.125,87.658 104.678,87.105 109.295,87.105 117.275,79.125 117.275,76.85 v1(118.45,75.675) ; v1(139.45,99.875) 139.85,99.475 143.175,99.475 144.404,100.704 P3.6@146.689,100.704